# KiCad board Soft_Power_Switch_panelized.kicad_pcb (continued)
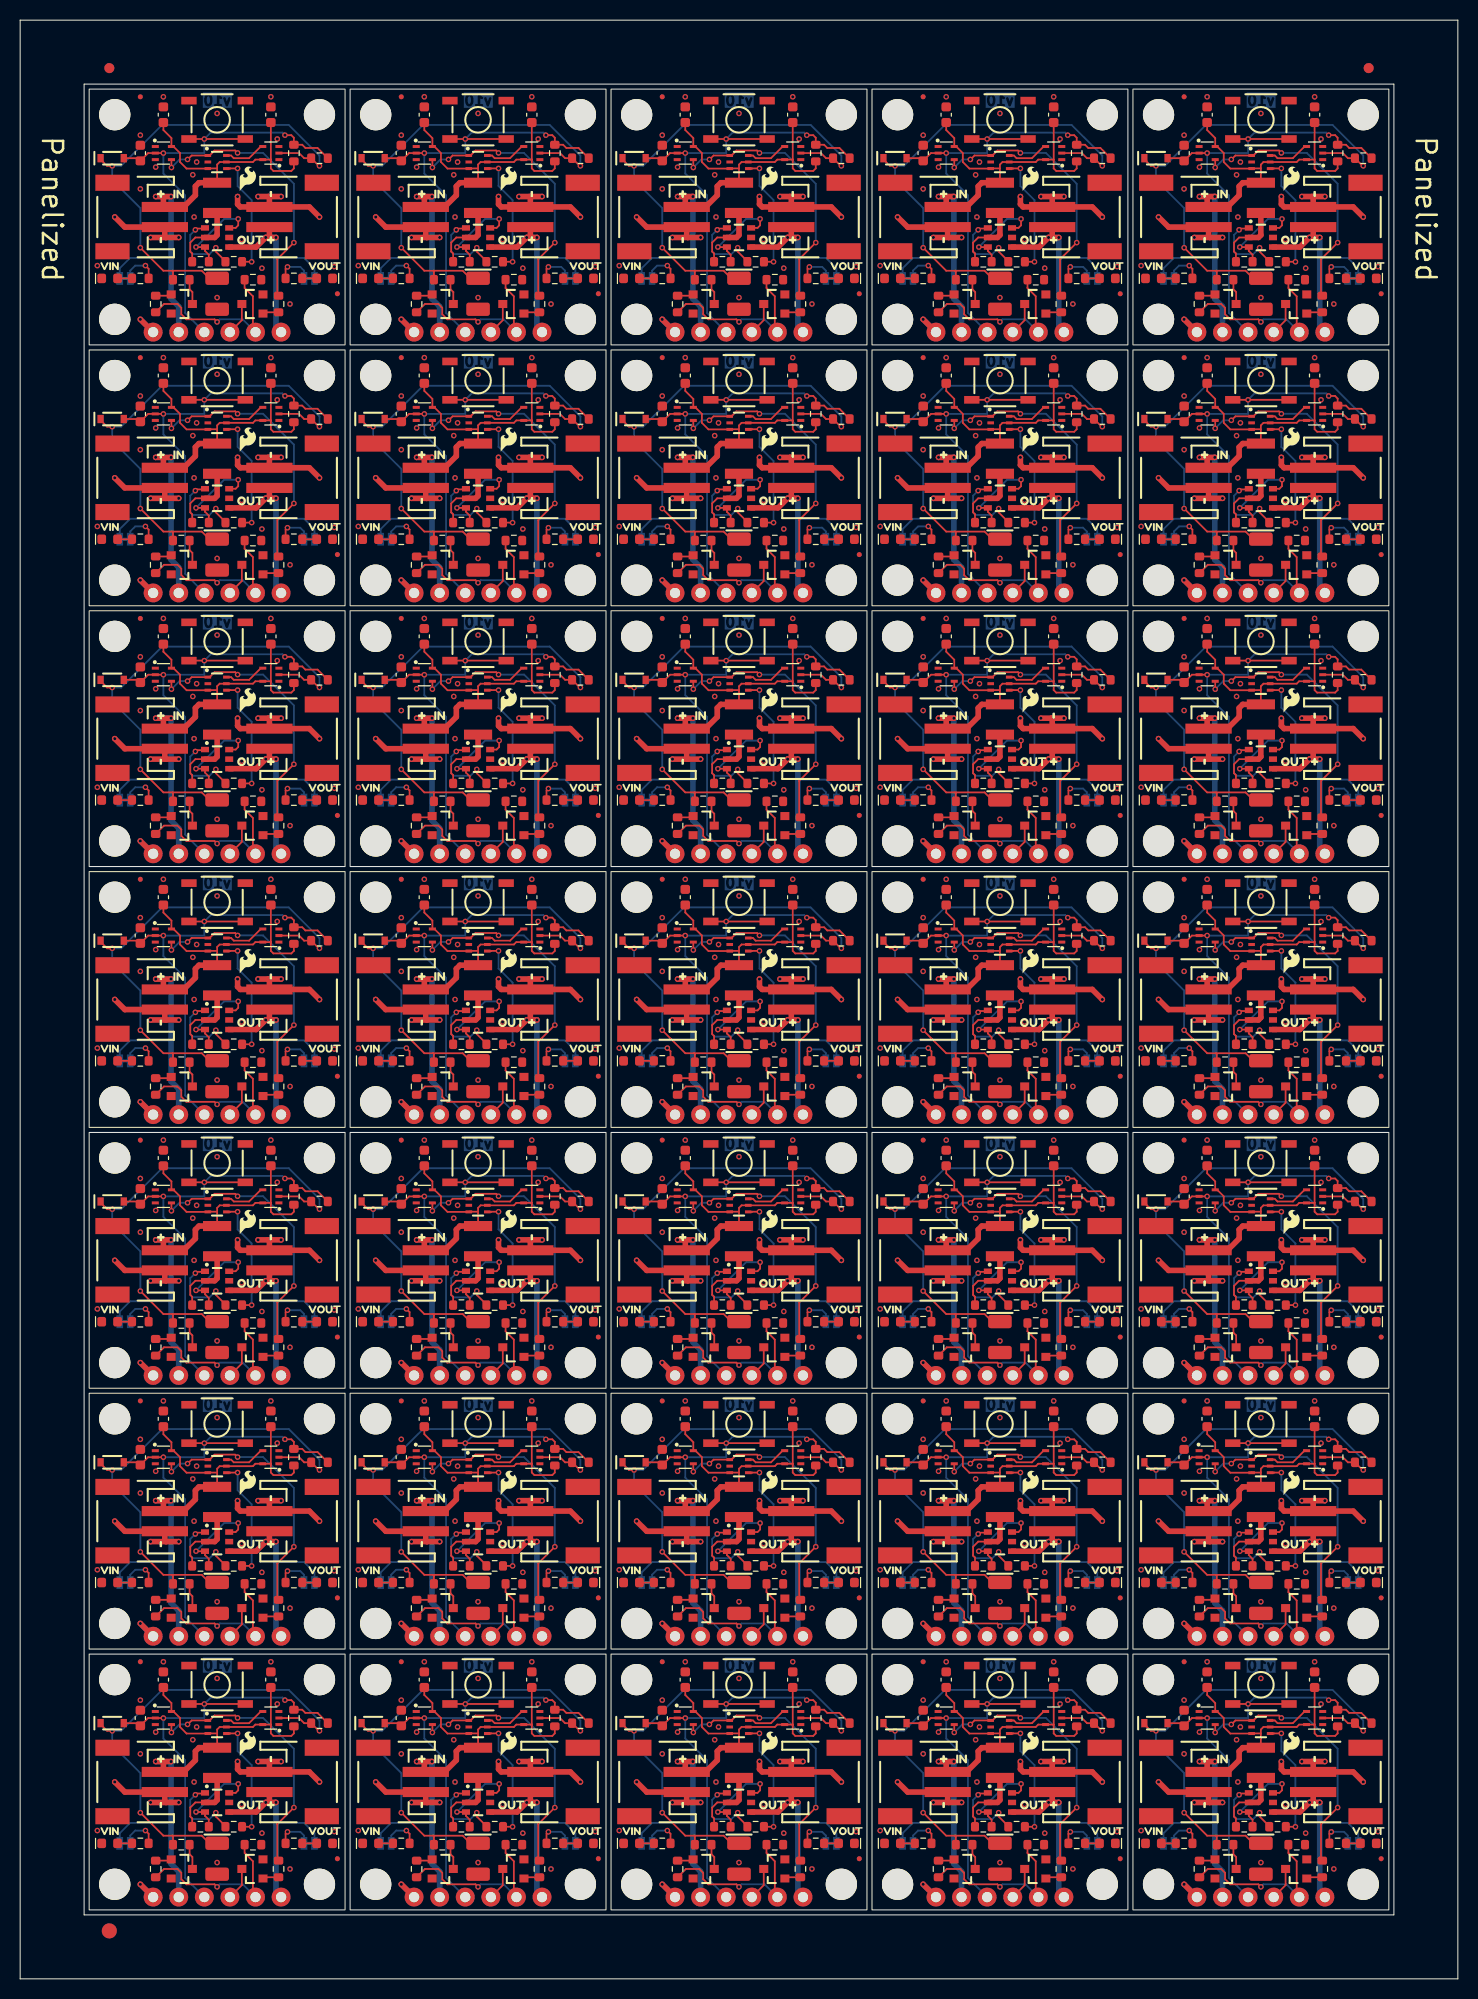
[diagram p0: board, top side]
## Placement (name value [footprint] x y rotation side) (continued)
FID2#10  Fiducial_0.5mm  [Fiducial_0.5mm_Mask1mm]  31.49 63.73 180 bottom
FID2#11  Fiducial_0.5mm  [Fiducial_0.5mm_Mask1mm]  31.49 141.43 180 bottom
FID2#12  Fiducial_0.5mm  [Fiducial_0.5mm_Mask1mm]  135.09 63.73 180 bottom
FID2#13  Fiducial_0.5mm  [Fiducial_0.5mm_Mask1mm]  83.29 11.93 180 bottom
FID2#14  Fiducial_0.5mm  [Fiducial_0.5mm_Mask1mm]  57.39 89.63 180 bottom
FID2#15  Fiducial_0.5mm  [Fiducial_0.5mm_Mask1mm]  83.29 37.83 180 bottom
FID2#16  Fiducial_0.5mm  [Fiducial_0.5mm_Mask1mm]  57.39 141.43 180 bottom
FID2#17  Fiducial_0.5mm  [Fiducial_0.5mm_Mask1mm]  57.39 11.93 180 bottom
FID2#18  Fiducial_0.5mm  [Fiducial_0.5mm_Mask1mm]  135.09 37.83 180 bottom
FID2#19  Fiducial_0.5mm  [Fiducial_0.5mm_Mask1mm]  109.19 37.83 180 bottom
FID2#20  Fiducial_0.5mm  [Fiducial_0.5mm_Mask1mm]  109.19 141.43 180 bottom
FID2#21  Fiducial_0.5mm  [Fiducial_0.5mm_Mask1mm]  57.39 167.33 180 bottom
FID2#22  Fiducial_0.5mm  [Fiducial_0.5mm_Mask1mm]  109.19 89.63 180 bottom
FID2#23  Fiducial_0.5mm  [Fiducial_0.5mm_Mask1mm]  31.49 89.63 180 bottom
FID2#24  Fiducial_0.5mm  [Fiducial_0.5mm_Mask1mm]  83.29 89.63 180 bottom
FID2#25  Fiducial_0.5mm  [Fiducial_0.5mm_Mask1mm]  83.29 115.53 180 bottom
FID2#26  Fiducial_0.5mm  [Fiducial_0.5mm_Mask1mm]  135.09 11.93 180 bottom
FID2#27  Fiducial_0.5mm  [Fiducial_0.5mm_Mask1mm]  83.29 167.33 180 bottom
FID2#28  Fiducial_0.5mm  [Fiducial_0.5mm_Mask1mm]  135.09 167.33 180 bottom
FID2#29  Fiducial_0.5mm  [Fiducial_0.5mm_Mask1mm]  57.39 115.53 180 bottom
FID2#30  Fiducial_0.5mm  [Fiducial_0.5mm_Mask1mm]  135.09 115.53 180 bottom
FID2#31  Fiducial_0.5mm  [Fiducial_0.5mm_Mask1mm]  83.29 141.43 180 bottom
FID2#32  Fiducial_0.5mm  [Fiducial_0.5mm_Mask1mm]  109.19 115.53 180 bottom
FID2#33  Fiducial_0.5mm  [Fiducial_0.5mm_Mask1mm]  135.09 89.63 180 bottom
FID2#34  Fiducial_0.5mm  [Fiducial_0.5mm_Mask1mm]  109.19 63.73 180 bottom
FID2#35  Fiducial_0.5mm  [Fiducial_0.5mm_Mask1mm]  109.19 11.93 180 bottom
FID3  Fiducial_0.5mm  [Fiducial_0.5mm_Mask1mm]  37.83 135.09 180 bottom
FID3#2  Fiducial_0.5mm  [Fiducial_0.5mm_Mask1mm]  115.53 57.39 180 bottom
FID3#3  Fiducial_0.5mm  [Fiducial_0.5mm_Mask1mm]  11.93 31.49 180 bottom
FID3#4  Fiducial_0.5mm  [Fiducial_0.5mm_Mask1mm]  11.93 109.19 180 bottom
FID3#5  Fiducial_0.5mm  [Fiducial_0.5mm_Mask1mm]  63.73 83.29 180 bottom
FID3#6  Fiducial_0.5mm  [Fiducial_0.5mm_Mask1mm]  115.53 135.09 180 bottom
FID3#7  Fiducial_0.5mm  [Fiducial_0.5mm_Mask1mm]  89.63 160.99 180 bottom
FID3#8  Fiducial_0.5mm  [Fiducial_0.5mm_Mask1mm]  115.53 31.49 180 bottom
FID3#9  Fiducial_0.5mm  [Fiducial_0.5mm_Mask1mm]  115.53 83.29 180 bottom
FID3#10  Fiducial_0.5mm  [Fiducial_0.5mm_Mask1mm]  63.73 135.09 180 bottom
FID3#11  Fiducial_0.5mm  [Fiducial_0.5mm_Mask1mm]  11.93 186.89 180 bottom
FID3#12  Fiducial_0.5mm  [Fiducial_0.5mm_Mask1mm]  37.83 160.99 180 bottom
FID3#13  Fiducial_0.5mm  [Fiducial_0.5mm_Mask1mm]  63.73 109.19 180 bottom
FID3#14  Fiducial_0.5mm  [Fiducial_0.5mm_Mask1mm]  11.93 57.39 180 bottom
FID3#15  Fiducial_0.5mm  [Fiducial_0.5mm_Mask1mm]  63.73 57.39 180 bottom
FID3#16  Fiducial_0.5mm  [Fiducial_0.5mm_Mask1mm]  37.83 57.39 180 bottom
FID3#17  Fiducial_0.5mm  [Fiducial_0.5mm_Mask1mm]  63.73 160.99 180 bottom
FID3#18  Fiducial_0.5mm  [Fiducial_0.5mm_Mask1mm]  11.93 83.29 180 bottom
FID3#19  Fiducial_0.5mm  [Fiducial_0.5mm_Mask1mm]  63.73 31.49 180 bottom
FID3#20  Fiducial_0.5mm  [Fiducial_0.5mm_Mask1mm]  37.83 31.49 180 bottom
FID3#21  Fiducial_0.5mm  [Fiducial_0.5mm_Mask1mm]  37.83 186.89 180 bottom
FID3#22  Fiducial_0.5mm  [Fiducial_0.5mm_Mask1mm]  37.83 109.19 180 bottom
FID3#23  Fiducial_0.5mm  [Fiducial_0.5mm_Mask1mm]  89.63 109.19 180 bottom
FID3#24  Fiducial_0.5mm  [Fiducial_0.5mm_Mask1mm]  37.83 83.29 180 bottom
FID3#25  Fiducial_0.5mm  [Fiducial_0.5mm_Mask1mm]  63.73 186.89 180 bottom
FID3#26  Fiducial_0.5mm  [Fiducial_0.5mm_Mask1mm]  89.63 186.89 180 bottom
FID3#27  Fiducial_0.5mm  [Fiducial_0.5mm_Mask1mm]  115.53 109.19 180 bottom
FID3#28  Fiducial_0.5mm  [Fiducial_0.5mm_Mask1mm]  89.63 83.29 180 bottom
FID3#29  Fiducial_0.5mm  [Fiducial_0.5mm_Mask1mm]  115.53 186.89 180 bottom
FID3#30  Fiducial_0.5mm  [Fiducial_0.5mm_Mask1mm]  115.53 160.99 180 bottom
FID3#31  Fiducial_0.5mm  [Fiducial_0.5mm_Mask1mm]  89.63 135.09 180 bottom
FID3#32  Fiducial_0.5mm  [Fiducial_0.5mm_Mask1mm]  11.93 160.99 180 bottom
FID3#33  Fiducial_0.5mm  [Fiducial_0.5mm_Mask1mm]  11.93 135.09 180 bottom
FID3#34  Fiducial_0.5mm  [Fiducial_0.5mm_Mask1mm]  89.63 57.39 180 bottom
FID3#35  Fiducial_0.5mm  [Fiducial_0.5mm_Mask1mm]  89.63 31.49 180 bottom
FID4  Fiducial_0.5mm  [Fiducial_0.5mm_Mask1mm]  83.29 167.33 0 top
FID4#2  Fiducial_0.5mm  [Fiducial_0.5mm_Mask1mm]  31.49 37.83 0 top
FID4#3  Fiducial_0.5mm  [Fiducial_0.5mm_Mask1mm]  31.49 167.33 0 top
FID4#4  Fiducial_0.5mm  [Fiducial_0.5mm_Mask1mm]  109.19 63.73 0 top
FID4#5  Fiducial_0.5mm  [Fiducial_0.5mm_Mask1mm]  109.19 115.53 0 top
FID4#6  Fiducial_0.5mm  [Fiducial_0.5mm_Mask1mm]  57.39 167.33 0 top
FID4#7  Fiducial_0.5mm  [Fiducial_0.5mm_Mask1mm]  31.49 141.43 0 top
FID4#8  Fiducial_0.5mm  [Fiducial_0.5mm_Mask1mm]  135.09 11.93 0 top
FID4#9  Fiducial_0.5mm  [Fiducial_0.5mm_Mask1mm]  31.49 115.53 0 top
FID4#10  Fiducial_0.5mm  [Fiducial_0.5mm_Mask1mm]  83.29 89.63 0 top
FID4#11  Fiducial_0.5mm  [Fiducial_0.5mm_Mask1mm]  57.39 63.73 0 top
FID4#12  Fiducial_0.5mm  [Fiducial_0.5mm_Mask1mm]  135.09 89.63 0 top
FID4#13  Fiducial_0.5mm  [Fiducial_0.5mm_Mask1mm]  31.49 11.93 0 top
FID4#14  Fiducial_0.5mm  [Fiducial_0.5mm_Mask1mm]  109.19 167.33 0 top
FID4#15  Fiducial_0.5mm  [Fiducial_0.5mm_Mask1mm]  57.39 141.43 0 top
FID4#16  Fiducial_0.5mm  [Fiducial_0.5mm_Mask1mm]  109.19 141.43 0 top
FID4#17  Fiducial_0.5mm  [Fiducial_0.5mm_Mask1mm]  83.29 63.73 0 top
FID4#18  Fiducial_0.5mm  [Fiducial_0.5mm_Mask1mm]  135.09 37.83 0 top
FID4#19  Fiducial_0.5mm  [Fiducial_0.5mm_Mask1mm]  57.39 89.63 0 top
FID4#20  Fiducial_0.5mm  [Fiducial_0.5mm_Mask1mm]  83.29 11.93 0 top
FID4#21  Fiducial_0.5mm  [Fiducial_0.5mm_Mask1mm]  31.49 89.63 0 top
FID4#22  Fiducial_0.5mm  [Fiducial_0.5mm_Mask1mm]  57.39 115.53 0 top
FID4#23  Fiducial_0.5mm  [Fiducial_0.5mm_Mask1mm]  31.49 63.73 0 top
FID4#24  Fiducial_0.5mm  [Fiducial_0.5mm_Mask1mm]  83.29 115.53 0 top
FID4#25  Fiducial_0.5mm  [Fiducial_0.5mm_Mask1mm]  135.09 167.33 0 top
FID4#26  Fiducial_0.5mm  [Fiducial_0.5mm_Mask1mm]  135.09 63.73 0 top
FID4#27  Fiducial_0.5mm  [Fiducial_0.5mm_Mask1mm]  83.29 37.83 0 top
FID4#28  Fiducial_0.5mm  [Fiducial_0.5mm_Mask1mm]  83.29 141.43 0 top
FID4#29  Fiducial_0.5mm  [Fiducial_0.5mm_Mask1mm]  109.19 37.83 0 top
FID4#30  Fiducial_0.5mm  [Fiducial_0.5mm_Mask1mm]  57.39 37.83 0 top
FID4#31  Fiducial_0.5mm  [Fiducial_0.5mm_Mask1mm]  135.09 115.53 0 top
FID4#32  Fiducial_0.5mm  [Fiducial_0.5mm_Mask1mm]  57.39 11.93 0 top
FID4#33  Fiducial_0.5mm  [Fiducial_0.5mm_Mask1mm]  109.19 89.63 0 top
FID4#34  Fiducial_0.5mm  [Fiducial_0.5mm_Mask1mm]  109.19 11.93 0 top
FID4#35  Fiducial_0.5mm  [Fiducial_0.5mm_Mask1mm]  135.09 141.43 0 top
G3  OSHW_Logo  [Creative_Commons_License]  103.37 -36.84 0 top
G***  Flame  [SparkFun_Flame_2.5mm]  74.4 49.25 0 top
G***#2  Flame  [SparkFun_Flame_2.5mm]  126.2 126.95 0 top
G***#3  Flame  [SparkFun_Flame_2.5mm]  126.2 101.05 0 top
G***#4  Flame  [SparkFun_Flame_2.5mm]  22.6 126.95 0 top
G***#5  Flame  [SparkFun_Flame_2.5mm]  22.6 101.05 0 top
G***#6  Flame  [SparkFun_Flame_2.5mm]  74.4 23.35 0 top
G***#7  Flame  [SparkFun_Flame_2.5mm]  74.4 178.75 0 top
G***#8  Flame  [SparkFun_Flame_2.5mm]  48.5 126.95 0 top
G***#9  Flame  [SparkFun_Flame_2.5mm]  100.3 178.75 0 top
G***#10  Flame  [SparkFun_Flame_2.5mm]  126.2 75.15 0 top
G***#11  Flame  [SparkFun_Flame_2.5mm]  22.6 152.85 0 top
G***#12  Flame  [SparkFun_Flame_2.5mm]  126.2 152.85 0 top
G***#13  Flame  [SparkFun_Flame_2.5mm]  48.5 101.05 0 top
G***#14  Flame  [SparkFun_Flame_2.5mm]  100.3 152.85 0 top
G***#15  Flame  [SparkFun_Flame_2.5mm]  48.5 23.35 0 top
G***#16  Flame  [SparkFun_Flame_2.5mm]  74.4 75.15 0 top
G***#17  Flame  [SparkFun_Flame_2.5mm]  126.2 23.35 0 top
G***#18  Flame  [SparkFun_Flame_2.5mm]  100.3 75.15 0 top
G***#19  Flame  [SparkFun_Flame_2.5mm]  100.3 126.95 0 top
G***#20  Flame  [SparkFun_Flame_2.5mm]  100.3 101.05 0 top
G***#21  Flame  [SparkFun_Flame_2.5mm]  126.2 178.75 0 top
G***#22  Flame  [SparkFun_Flame_2.5mm]  22.6 178.75 0 top
G***#23  Flame  [SparkFun_Flame_2.5mm]  74.4 152.85 0 top
G***#24  Flame  [SparkFun_Flame_2.5mm]  126.2 49.25 0 top
G***#25  Flame  [SparkFun_Flame_2.5mm]  22.6 75.15 0 top
G***#26  Flame  [SparkFun_Flame_2.5mm]  48.5 75.15 0 top
G***#27  Flame  [SparkFun_Flame_2.5mm]  100.3 23.35 0 top
G***#28  Flame  [SparkFun_Flame_2.5mm]  48.5 178.75 0 top
G***#29  Flame  [SparkFun_Flame_2.5mm]  74.4 101.05 0 top
G***#30  Flame  [SparkFun_Flame_2.5mm]  22.6 49.25 0 top
G***#31  Flame  [SparkFun_Flame_2.5mm]  22.6 23.35 0 top
G***#32  Flame  [SparkFun_Flame_2.5mm]  48.5 152.85 0 top
G***#33  Flame  [SparkFun_Flame_2.5mm]  48.5 49.25 0 top
G***#34  Flame  [SparkFun_Flame_2.5mm]  74.4 126.95 0 top
G***#35  Flame  [SparkFun_Flame_2.5mm]  100.3 49.25 0 top
G***#36  LOGO  [SparkFun_Logo_12.5mm]  19.55 26.53 180 bottom
G***#37  LOGO  [SparkFun_Logo_12.5mm]  97.25 181.94 180 bottom
G***#38  LOGO  [SparkFun_Logo_12.5mm]  71.35 78.34 180 bottom
G***#39  LOGO  [SparkFun_Logo_12.5mm]  97.25 156.03 180 bottom
G***#40  LOGO  [SparkFun_Logo_12.5mm]  19.55 181.94 180 bottom
G***#41  LOGO  [SparkFun_Logo_12.5mm]  123.15 52.44 180 bottom
G***#42  LOGO  [SparkFun_Logo_12.5mm]  19.55 52.44 180 bottom
G***#43  LOGO  [SparkFun_Logo_12.5mm]  45.45 104.23 180 bottom
G***#44  LOGO  [SparkFun_Logo_12.5mm]  19.55 78.34 180 bottom
G***#45  LOGO  [SparkFun_Logo_12.5mm]  71.35 104.23 180 bottom
G***#46  LOGO  [SparkFun_Logo_12.5mm]  97.25 104.23 180 bottom
G***#47  LOGO  [SparkFun_Logo_12.5mm]  71.35 26.53 180 bottom
G***#48  LOGO  [SparkFun_Logo_12.5mm]  97.25 130.13 180 bottom
G***#49  LOGO  [SparkFun_Logo_12.5mm]  71.35 130.13 180 bottom
G***#50  LOGO  [SparkFun_Logo_12.5mm]  45.45 156.03 180 bottom
G***#51  LOGO  [SparkFun_Logo_12.5mm]  97.25 26.53 180 bottom
G***#52  LOGO  [SparkFun_Logo_12.5mm]  97.25 78.34 180 bottom
G***#53  LOGO  [SparkFun_Logo_12.5mm]  45.45 130.13 180 bottom
G***#54  LOGO  [SparkFun_Logo_12.5mm]  45.45 52.44 180 bottom
G***#55  LOGO  [SparkFun_Logo_12.5mm]  71.35 156.03 180 bottom
G***#56  LOGO  [SparkFun_Logo_12.5mm]  97.25 52.44 180 bottom
G***#57  LOGO  [SparkFun_Logo_12.5mm]  123.15 104.23 180 bottom
G***#58  LOGO  [SparkFun_Logo_12.5mm]  123.15 130.13 180 bottom
G***#59  LOGO  [SparkFun_Logo_12.5mm]  45.45 26.53 180 bottom
G***#60  LOGO  [SparkFun_Logo_12.5mm]  123.15 26.53 180 bottom
G***#61  LOGO  [SparkFun_Logo_12.5mm]  123.15 156.03 180 bottom
G***#62  LOGO  [SparkFun_Logo_12.5mm]  123.15 78.34 180 bottom
G***#63  LOGO  [SparkFun_Logo_12.5mm]  45.45 78.34 180 bottom
G***#64  LOGO  [SparkFun_Logo_12.5mm]  123.15 181.94 180 bottom
G***#65  LOGO  [SparkFun_Logo_12.5mm]  19.55 130.13 180 bottom
G***#66  LOGO  [SparkFun_Logo_12.5mm]  19.55 104.23 180 bottom
G***#67  LOGO  [SparkFun_Logo_12.5mm]  71.35 52.44 180 bottom
G***#68  LOGO  [SparkFun_Logo_12.5mm]  19.55 156.03 180 bottom
G***#69  LOGO  [SparkFun_Logo_12.5mm]  45.45 181.94 180 bottom
G***#70  LOGO  [SparkFun_Logo_12.5mm]  71.35 181.94 180 bottom
J1  JST_2mm_LiPo  [JST_SMD_2.0mm-2]  62.46 71.35 90 top
J1#2  JST_2mm_LiPo  [JST_SMD_2.0mm-2]  10.66 174.95 90 top
J1#3  JST_2mm_LiPo  [JST_SMD_2.0mm-2]  88.36 123.15 90 top
J1#4  JST_2mm_LiPo  [JST_SMD_2.0mm-2]  36.56 149.05 90 top
J1#5  JST_2mm_LiPo  [JST_SMD_2.0mm-2]  10.66 97.25 90 top
J1#6  JST_2mm_LiPo  [JST_SMD_2.0mm-2]  62.46 149.05 90 top
J1#7  JST_2mm_LiPo  [JST_SMD_2.0mm-2]  10.66 71.35 90 top
J1#8  JST_2mm_LiPo  [JST_SMD_2.0mm-2]  36.56 97.25 90 top
J1#9  JST_2mm_LiPo  [JST_SMD_2.0mm-2]  114.26 149.05 90 top
J1#10  JST_2mm_LiPo  [JST_SMD_2.0mm-2]  88.36 71.35 90 top
J1#11  JST_2mm_LiPo  [JST_SMD_2.0mm-2]  36.56 45.45 90 top
J1#12  JST_2mm_LiPo  [JST_SMD_2.0mm-2]  36.56 71.35 90 top
J1#13  JST_2mm_LiPo  [JST_SMD_2.0mm-2]  62.46 123.15 90 top
J1#14  JST_2mm_LiPo  [JST_SMD_2.0mm-2]  10.66 45.45 90 top
J1#15  JST_2mm_LiPo  [JST_SMD_2.0mm-2]  114.26 97.25 90 top
J1#16  JST_2mm_LiPo  [JST_SMD_2.0mm-2]  10.66 149.05 90 top
J1#17  JST_2mm_LiPo  [JST_SMD_2.0mm-2]  62.46 174.95 90 top
J1#18  JST_2mm_LiPo  [JST_SMD_2.0mm-2]  62.46 45.45 90 top
J1#19  JST_2mm_LiPo  [JST_SMD_2.0mm-2]  36.56 123.15 90 top
J1#20  JST_2mm_LiPo  [JST_SMD_2.0mm-2]  114.26 174.95 90 top
J1#21  JST_2mm_LiPo  [JST_SMD_2.0mm-2]  10.66 19.55 90 top
J1#22  JST_2mm_LiPo  [JST_SMD_2.0mm-2]  36.56 19.55 90 top
J1#23  JST_2mm_LiPo  [JST_SMD_2.0mm-2]  62.46 97.25 90 top
J1#24  JST_2mm_LiPo  [JST_SMD_2.0mm-2]  62.46 19.55 90 top
J1#25  JST_2mm_LiPo  [JST_SMD_2.0mm-2]  114.26 45.45 90 top
J1#26  JST_2mm_LiPo  [JST_SMD_2.0mm-2]  114.26 71.35 90 top
J1#27  JST_2mm_LiPo  [JST_SMD_2.0mm-2]  88.36 19.55 90 top
J1#28  JST_2mm_LiPo  [JST_SMD_2.0mm-2]  88.36 149.05 90 top
J1#29  JST_2mm_LiPo  [JST_SMD_2.0mm-2]  36.56 174.95 90 top
J1#30  JST_2mm_LiPo  [JST_SMD_2.0mm-2]  10.66 123.15 90 top
J1#31  JST_2mm_LiPo  [JST_SMD_2.0mm-2]  88.36 45.45 90 top
J1#32  JST_2mm_LiPo  [JST_SMD_2.0mm-2]  88.36 174.95 90 top
J1#33  JST_2mm_LiPo  [JST_SMD_2.0mm-2]  114.26 123.15 90 top
J1#34  JST_2mm_LiPo  [JST_SMD_2.0mm-2]  114.26 19.55 90 top
J1#35  JST_2mm_LiPo  [JST_SMD_2.0mm-2]  88.36 97.25 90 top
J2  JST_2mm_LiPo  [JST_SMD_2.0mm-2]  54.34 71.35 270 top
J2#2  JST_2mm_LiPo  [JST_SMD_2.0mm-2]  80.24 97.25 270 top
J2#3  JST_2mm_LiPo  [JST_SMD_2.0mm-2]  80.24 149.05 270 top
J2#4  JST_2mm_LiPo  [JST_SMD_2.0mm-2]  132.04 123.15 270 top
J2#5  JST_2mm_LiPo  [JST_SMD_2.0mm-2]  28.44 45.45 270 top
J2#6  JST_2mm_LiPo  [JST_SMD_2.0mm-2]  132.04 71.35 270 top
J2#7  JST_2mm_LiPo  [JST_SMD_2.0mm-2]  132.04 19.55 270 top
J2#8  JST_2mm_LiPo  [JST_SMD_2.0mm-2]  132.04 45.45 270 top
J2#9  JST_2mm_LiPo  [JST_SMD_2.0mm-2]  28.44 97.25 270 top
J2#10  JST_2mm_LiPo  [JST_SMD_2.0mm-2]  132.04 97.25 270 top
J2#11  JST_2mm_LiPo  [JST_SMD_2.0mm-2]  80.24 123.15 270 top
J2#12  JST_2mm_LiPo  [JST_SMD_2.0mm-2]  80.24 71.35 270 top
J2#13  JST_2mm_LiPo  [JST_SMD_2.0mm-2]  54.34 149.05 270 top
J2#14  JST_2mm_LiPo  [JST_SMD_2.0mm-2]  106.14 174.95 270 top
J2#15  JST_2mm_LiPo  [JST_SMD_2.0mm-2]  28.44 174.95 270 top
J2#16  JST_2mm_LiPo  [JST_SMD_2.0mm-2]  54.34 97.25 270 top
J2#17  JST_2mm_LiPo  [JST_SMD_2.0mm-2]  132.04 149.05 270 top
J2#18  JST_2mm_LiPo  [JST_SMD_2.0mm-2]  106.14 149.05 270 top
J2#19  JST_2mm_LiPo  [JST_SMD_2.0mm-2]  54.34 19.55 270 top
J2#20  JST_2mm_LiPo  [JST_SMD_2.0mm-2]  80.24 19.55 270 top
J2#21  JST_2mm_LiPo  [JST_SMD_2.0mm-2]  28.44 123.15 270 top
J2#22  JST_2mm_LiPo  [JST_SMD_2.0mm-2]  28.44 149.05 270 top
J2#23  JST_2mm_LiPo  [JST_SMD_2.0mm-2]  106.14 45.45 270 top
J2#24  JST_2mm_LiPo  [JST_SMD_2.0mm-2]  132.04 174.95 270 top
J2#25  JST_2mm_LiPo  [JST_SMD_2.0mm-2]  80.24 174.95 270 top
J2#26  JST_2mm_LiPo  [JST_SMD_2.0mm-2]  28.44 19.55 270 top
J2#27  JST_2mm_LiPo  [JST_SMD_2.0mm-2]  106.14 123.15 270 top
J2#28  JST_2mm_LiPo  [JST_SMD_2.0mm-2]  106.14 71.35 270 top
J2#29  JST_2mm_LiPo  [JST_SMD_2.0mm-2]  106.14 97.25 270 top
J2#30  JST_2mm_LiPo  [JST_SMD_2.0mm-2]  80.24 45.45 270 top
J2#31  JST_2mm_LiPo  [JST_SMD_2.0mm-2]  54.34 123.15 270 top
J2#32  JST_2mm_LiPo  [JST_SMD_2.0mm-2]  28.44 71.35 270 top
J2#33  JST_2mm_LiPo  [JST_SMD_2.0mm-2]  54.34 174.95 270 top
J2#34  JST_2mm_LiPo  [JST_SMD_2.0mm-2]  106.14 19.55 270 top
J2#35  JST_2mm_LiPo  [JST_SMD_2.0mm-2]  54.34 45.45 270 top
J3  Conn_01x06  [1x06]  77.7 163.52 180 top
J3#2  Conn_01x06  [1x06]  25.9 8.12 180 top
J3#3  Conn_01x06  [1x06]  51.8 34.02 180 top
J3#4  Conn_01x06  [1x06]  103.6 111.72 180 top
J3#5  Conn_01x06  [1x06]  129.5 137.62 180 top
J3#6  Conn_01x06  [1x06]  129.5 85.82 180 top
J3#7  Conn_01x06  [1x06]  129.5 111.72 180 top
J3#8  Conn_01x06  [1x06]  129.5 8.12 180 top
J3#9  Conn_01x06  [1x06]  77.7 34.02 180 top
J3#10  Conn_01x06  [1x06]  77.7 111.72 180 top
J3#11  Conn_01x06  [1x06]  51.8 163.52 180 top
J3#12  Conn_01x06  [1x06]  77.7 8.12 180 top
J3#13  Conn_01x06  [1x06]  103.6 34.02 180 top
J3#14  Conn_01x06  [1x06]  77.7 85.82 180 top
J3#15  Conn_01x06  [1x06]  25.9 137.62 180 top
J3#16  Conn_01x06  [1x06]  103.6 137.62 180 top
J3#17  Conn_01x06  [1x06]  51.8 8.12 180 top
J3#18  Conn_01x06  [1x06]  103.6 8.12 180 top
J3#19  Conn_01x06  [1x06]  103.6 85.82 180 top
J3#20  Conn_01x06  [1x06]  77.7 137.62 180 top
J3#21  Conn_01x06  [1x06]  51.8 85.82 180 top
J3#22  Conn_01x06  [1x06]  77.7 59.92 180 top
J3#23  Conn_01x06  [1x06]  51.8 137.62 180 top
J3#24  Conn_01x06  [1x06]  51.8 111.72 180 top
J3#25  Conn_01x06  [1x06]  129.5 59.92 180 top
J3#26  Conn_01x06  [1x06]  25.9 85.82 180 top
J3#27  Conn_01x06  [1x06]  129.5 34.02 180 top
J3#28  Conn_01x06  [1x06]  25.9 163.52 180 top
J3#29  Conn_01x06  [1x06]  25.9 59.92 180 top
J3#30  Conn_01x06  [1x06]  51.8 59.92 180 top
J3#31  Conn_01x06  [1x06]  25.9 34.02 180 top
J3#32  Conn_01x06  [1x06]  129.5 163.52 180 top
J3#33  Conn_01x06  [1x06]  25.9 111.72 180 top
J3#34  Conn_01x06  [1x06]  103.6 59.92 180 top
J3#35  Conn_01x06  [1x06]  103.6 163.52 180 top
JP1  ~  [Jumper_2_NC_Trace]  36.31 39.35 180 bottom
JP1#2  ~  [Jumper_2_NC_Trace]  88.11 13.45 180 bottom
JP1#3  ~  [Jumper_2_NC_Trace]  10.41 168.85 180 bottom
JP1#4  ~  [Jumper_2_NC_Trace]  62.21 65.25 180 bottom
JP1#5  ~  [Jumper_2_NC_Trace]  88.11 168.85 180 bottom
JP1#6  ~  [Jumper_2_NC_Trace]  114.01 39.35 180 bottom
JP1#7  ~  [Jumper_2_NC_Trace]  62.21 142.95 180 bottom
JP1#8  ~  [Jumper_2_NC_Trace]  62.21 39.35 180 bottom
JP1#9  ~  [Jumper_2_NC_Trace]  62.21 168.85 180 bottom
JP1#10  ~  [Jumper_2_NC_Trace]  114.01 65.25 180 bottom
JP1#11  ~  [Jumper_2_NC_Trace]  36.31 142.95 180 bottom
JP1#12  ~  [Jumper_2_NC_Trace]  88.11 39.35 180 bottom
JP1#13  ~  [Jumper_2_NC_Trace]  88.11 91.15 180 bottom
JP1#14  ~  [Jumper_2_NC_Trace]  114.01 13.45 180 bottom
JP1#15  ~  [Jumper_2_NC_Trace]  10.41 142.95 180 bottom
JP1#16  ~  [Jumper_2_NC_Trace]  10.41 91.15 180 bottom
JP1#17  ~  [Jumper_2_NC_Trace]  10.41 117.05 180 bottom
JP1#18  ~  [Jumper_2_NC_Trace]  10.41 13.45 180 bottom
JP1#19  ~  [Jumper_2_NC_Trace]  114.01 117.05 180 bottom
JP1#20  ~  [Jumper_2_NC_Trace]  10.41 65.25 180 bottom
JP1#21  ~  [Jumper_2_NC_Trace]  36.31 168.85 180 bottom
JP1#22  ~  [Jumper_2_NC_Trace]  36.31 13.45 180 bottom
JP1#23  ~  [Jumper_2_NC_Trace]  36.31 117.05 180 bottom
JP1#24  ~  [Jumper_2_NC_Trace]  88.11 142.95 180 bottom
JP1#25  ~  [Jumper_2_NC_Trace]  62.21 13.45 180 bottom
JP1#26  ~  [Jumper_2_NC_Trace]  36.31 91.15 180 bottom
JP1#27  ~  [Jumper_2_NC_Trace]  88.11 117.05 180 bottom
JP1#28  ~  [Jumper_2_NC_Trace]  88.11 65.25 180 bottom
JP1#29  ~  [Jumper_2_NC_Trace]  114.01 142.95 180 bottom
JP1#30  ~  [Jumper_2_NC_Trace]  62.21 117.05 180 bottom
JP1#31  ~  [Jumper_2_NC_Trace]  10.41 39.35 180 bottom
JP1#32  ~  [Jumper_2_NC_Trace]  114.01 168.85 180 bottom
JP1#33  ~  [Jumper_2_NC_Trace]  114.01 91.15 180 bottom
JP1#34  ~  [Jumper_2_NC_Trace]  36.31 65.25 180 bottom
JP1#35  ~  [Jumper_2_NC_Trace]  62.21 91.15 180 bottom
JP2  ~  [Jumper_2_NC_Trace]  54.59 39.35 0 bottom
JP2#2  ~  [Jumper_2_NC_Trace]  28.69 65.25 0 bottom
JP2#3  ~  [Jumper_2_NC_Trace]  28.69 142.95 0 bottom
JP2#4  ~  [Jumper_2_NC_Trace]  106.39 65.25 0 bottom
JP2#5  ~  [Jumper_2_NC_Trace]  80.49 65.25 0 bottom
JP2#6  ~  [Jumper_2_NC_Trace]  132.29 168.85 0 bottom
JP2#7  ~  [Jumper_2_NC_Trace]  54.59 65.25 0 bottom
JP2#8  ~  [Jumper_2_NC_Trace]  54.59 142.95 0 bottom
JP2#9  ~  [Jumper_2_NC_Trace]  80.49 117.05 0 bottom
JP2#10  ~  [Jumper_2_NC_Trace]  132.29 65.25 0 bottom
JP2#11  ~  [Jumper_2_NC_Trace]  106.39 142.95 0 bottom
JP2#12  ~  [Jumper_2_NC_Trace]  106.39 91.15 0 bottom
JP2#13  ~  [Jumper_2_NC_Trace]  132.29 13.45 0 bottom
JP2#14  ~  [Jumper_2_NC_Trace]  28.69 13.45 0 bottom
JP2#15  ~  [Jumper_2_NC_Trace]  28.69 117.05 0 bottom
JP2#16  ~  [Jumper_2_NC_Trace]  28.69 39.35 0 bottom
JP2#17  ~  [Jumper_2_NC_Trace]  54.59 117.05 0 bottom
JP2#18  ~  [Jumper_2_NC_Trace]  80.49 13.45 0 bottom
JP2#19  ~  [Jumper_2_NC_Trace]  28.69 168.85 0 bottom
JP2#20  ~  [Jumper_2_NC_Trace]  54.59 13.45 0 bottom
JP2#21  ~  [Jumper_2_NC_Trace]  106.39 117.05 0 bottom
JP2#22  ~  [Jumper_2_NC_Trace]  80.49 91.15 0 bottom
JP2#23  ~  [Jumper_2_NC_Trace]  132.29 142.95 0 bottom
JP2#24  ~  [Jumper_2_NC_Trace]  132.29 91.15 0 bottom
JP2#25  ~  [Jumper_2_NC_Trace]  54.59 168.85 0 bottom
JP2#26  ~  [Jumper_2_NC_Trace]  54.59 91.15 0 bottom
JP2#27  ~  [Jumper_2_NC_Trace]  80.49 142.95 0 bottom
JP2#28  ~  [Jumper_2_NC_Trace]  132.29 39.35 0 bottom
JP2#29  ~  [Jumper_2_NC_Trace]  106.39 39.35 0 bottom
JP2#30  ~  [Jumper_2_NC_Trace]  28.69 91.15 0 bottom
JP2#31  ~  [Jumper_2_NC_Trace]  106.39 168.85 0 bottom
JP2#32  ~  [Jumper_2_NC_Trace]  80.49 39.35 0 bottom
JP2#33  ~  [Jumper_2_NC_Trace]  132.29 117.05 0 bottom
JP2#34  ~  [Jumper_2_NC_Trace]  106.39 13.45 0 bottom
JP2#35  ~  [Jumper_2_NC_Trace]  80.49 168.85 0 bottom
kibuzzard-65F04F60  G***  [kibuzzard-65F04F60]  39.86 151.34 0 top
kibuzzard-65F04F60#2  G***  [kibuzzard-65F04F60]  24.88 17.26 0 top
kibuzzard-65F04F60#3  G***  [kibuzzard-65F04F60]  102.58 146.76 0 top
kibuzzard-65F04F60#4  G***  [kibuzzard-65F04F60]  91.66 73.64 0 top
kibuzzard-65F04F60#5  G***  [kibuzzard-65F04F60]  65.76 99.54 0 top
kibuzzard-65F04F60#6  G***  [kibuzzard-65F04F60]  76.68 43.16 0 top
kibuzzard-65F04F60#7  G***  [kibuzzard-65F04F60]  117.56 177.24 0 top
kibuzzard-65F04F60#8  G***  [kibuzzard-65F04F60]  24.88 172.66 0 top
kibuzzard-65F04F60#9  G***  [kibuzzard-65F04F60]  65.76 151.34 0 top
kibuzzard-65F04F60#10  G***  [kibuzzard-65F04F60]  76.68 120.86 0 top
kibuzzard-65F04F60#11  G***  [kibuzzard-65F04F60]  128.48 94.96 0 top
kibuzzard-65F04F60#12  G***  [kibuzzard-65F04F60]  102.58 69.06 0 top
kibuzzard-65F04F60#13  G***  [kibuzzard-65F04F60]  13.96 99.54 0 top
kibuzzard-65F04F60#14  G***  [kibuzzard-65F04F60]  76.68 172.66 0 top
kibuzzard-65F04F60#15  G***  [kibuzzard-65F04F60]  128.48 43.16 0 top
kibuzzard-65F04F60#16  G***  [kibuzzard-65F04F60]  39.86 125.44 0 top
kibuzzard-65F04F60#17  G***  [kibuzzard-65F04F60]  13.96 125.44 0 top
kibuzzard-65F04F60#18  G***  [kibuzzard-65F04F60]  128.48 120.86 0 top
kibuzzard-65F04F60#19  G***  [kibuzzard-65F04F60]  117.56 47.74 0 top
kibuzzard-65F04F60#20  G***  [kibuzzard-65F04F60]  76.68 94.96 0 top
kibuzzard-65F04F60#21  G***  [kibuzzard-65F04F60]  102.58 43.16 0 top
kibuzzard-65F04F60#22  G***  [kibuzzard-65F04F60]  128.48 146.76 0 top
kibuzzard-65F04F60#23  G***  [kibuzzard-65F04F60]  65.76 73.64 0 top
kibuzzard-65F04F60#24  G***  [kibuzzard-65F04F60]  13.96 47.74 0 top
kibuzzard-65F04F60#25  G***  [kibuzzard-65F04F60]  102.58 172.66 0 top
kibuzzard-65F04F60#26  G***  [kibuzzard-65F04F60]  39.86 73.64 0 top
kibuzzard-65F04F60#27  G***  [kibuzzard-65F04F60]  13.96 177.24 0 top
kibuzzard-65F04F60#28  G***  [kibuzzard-65F04F60]  102.58 120.86 0 top
kibuzzard-65F04F60#29  G***  [kibuzzard-65F04F60]  91.66 47.74 0 top
kibuzzard-65F04F60#30  G***  [kibuzzard-65F04F60]  65.76 47.74 0 top
kibuzzard-65F04F60#31  G***  [kibuzzard-65F04F60]  50.78 120.86 0 top
kibuzzard-65F04F60#32  G***  [kibuzzard-65F04F60]  39.86 47.74 0 top
kibuzzard-65F04F60#33  G***  [kibuzzard-65F04F60]  24.88 69.06 0 top
kibuzzard-65F04F60#34  G***  [kibuzzard-65F04F60]  65.76 177.24 0 top
kibuzzard-65F04F60#35  G***  [kibuzzard-65F04F60]  76.68 69.06 0 top
kibuzzard-65F04F60#36  G***  [kibuzzard-65F04F60]  76.68 146.76 0 top
kibuzzard-65F04F60#37  G***  [kibuzzard-65F04F60]  39.86 99.54 0 top
kibuzzard-65F04F60#38  G***  [kibuzzard-65F04F60]  117.56 151.34 0 top
kibuzzard-65F04F60#39  G***  [kibuzzard-65F04F60]  50.78 43.16 0 top
kibuzzard-65F04F60#40  G***  [kibuzzard-65F04F60]  39.86 177.24 0 top
kibuzzard-65F04F60#41  G***  [kibuzzard-65F04F60]  128.48 172.66 0 top
kibuzzard-65F04F60#42  G***  [kibuzzard-65F04F60]  102.58 94.96 0 top
kibuzzard-65F04F60#43  G***  [kibuzzard-65F04F60]  91.66 125.44 0 top
kibuzzard-65F04F60#44  G***  [kibuzzard-65F04F60]  24.88 120.86 0 top
kibuzzard-65F04F60#45  G***  [kibuzzard-65F04F60]  91.66 177.24 0 top
kibuzzard-65F04F60#46  G***  [kibuzzard-65F04F60]  128.48 69.06 0 top
kibuzzard-65F04F60#47  G***  [kibuzzard-65F04F60]  50.78 172.66 0 top
kibuzzard-65F04F60#48  G***  [kibuzzard-65F04F60]  50.78 94.96 0 top
kibuzzard-65F04F60#49  G***  [kibuzzard-65F04F60]  13.96 21.84 0 top
kibuzzard-65F04F60#50  G***  [kibuzzard-65F04F60]  13.96 151.34 0 top
kibuzzard-65F04F60#51  G***  [kibuzzard-65F04F60]  91.66 21.84 0 top
kibuzzard-65F04F60#52  G***  [kibuzzard-65F04F60]  117.56 73.64 0 top
kibuzzard-65F04F60#53  G***  [kibuzzard-65F04F60]  65.76 125.44 0 top
kibuzzard-65F04F60#54  G***  [kibuzzard-65F04F60]  65.76 21.84 0 top
kibuzzard-65F04F60#55  G***  [kibuzzard-65F04F60]  24.88 94.96 0 top
kibuzzard-65F04F60#56  G***  [kibuzzard-65F04F60]  117.56 99.54 0 top
kibuzzard-65F04F60#57  G***  [kibuzzard-65F04F60]  24.88 146.76 0 top
kibuzzard-65F04F60#58  G***  [kibuzzard-65F04F60]  117.56 21.84 0 top
kibuzzard-65F04F60#59  G***  [kibuzzard-65F04F60]  102.58 17.26 0 top
kibuzzard-65F04F60#60  G***  [kibuzzard-65F04F60]  50.78 69.06 0 top
kibuzzard-65F04F60#61  G***  [kibuzzard-65F04F60]  24.88 43.16 0 top
kibuzzard-65F04F60#62  G***  [kibuzzard-65F04F60]  13.96 73.64 0 top
kibuzzard-65F04F60#63  G***  [kibuzzard-65F04F60]  39.86 21.84 0 top
kibuzzard-65F04F60#64  G***  [kibuzzard-65F04F60]  117.56 125.44 0 top
kibuzzard-65F04F60#65  G***  [kibuzzard-65F04F60]  76.68 17.26 0 top
kibuzzard-65F04F60#66  G***  [kibuzzard-65F04F60]  50.78 146.76 0 top
kibuzzard-65F04F60#67  G***  [kibuzzard-65F04F60]  50.78 17.26 0 top
kibuzzard-65F04F60#68  G***  [kibuzzard-65F04F60]  91.66 151.34 0 top
kibuzzard-65F04F60#69  G***  [kibuzzard-65F04F60]  91.66 99.54 0 top
kibuzzard-65F04F60#70  G***  [kibuzzard-65F04F60]  128.48 17.26 0 top
kibuzzard-65F04FCA  G***  [kibuzzard-65F04FCA]  65.76 69.06 90 top
kibuzzard-65F04FCA#2  G***  [kibuzzard-65F04FCA]  13.96 17.26 90 top
kibuzzard-65F04FCA#3  G***  [kibuzzard-65F04FCA]  117.56 94.96 90 top
kibuzzard-65F04FCA#4  G***  [kibuzzard-65F04FCA]  128.48 47.74 90 top
kibuzzard-65F04FCA#5  G***  [kibuzzard-65F04FCA]  117.56 120.86 90 top
kibuzzard-65F04FCA#6  G***  [kibuzzard-65F04FCA]  39.86 43.16 90 top
kibuzzard-65F04FCA#7  G***  [kibuzzard-65F04FCA]  24.88 151.34 90 top
kibuzzard-65F04FCA#8  G***  [kibuzzard-65F04FCA]  65.76 43.16 90 top
kibuzzard-65F04FCA#9  G***  [kibuzzard-65F04FCA]  76.68 47.74 90 top
kibuzzard-65F04FCA#10  G***  [kibuzzard-65F04FCA]  128.48 99.54 90 top
kibuzzard-65F04FCA#11  G***  [kibuzzard-65F04FCA]  76.68 21.84 90 top
kibuzzard-65F04FCA#12  G***  [kibuzzard-65F04FCA]  65.76 17.26 90 top
kibuzzard-65F04FCA#13  G***  [kibuzzard-65F04FCA]  13.96 94.96 90 top
kibuzzard-65F04FCA#14  G***  [kibuzzard-65F04FCA]  50.78 125.44 90 top
kibuzzard-65F04FCA#15  G***  [kibuzzard-65F04FCA]  102.58 47.74 90 top
kibuzzard-65F04FCA#16  G***  [kibuzzard-65F04FCA]  24.88 177.24 90 top
kibuzzard-65F04FCA#17  G***  [kibuzzard-65F04FCA]  65.76 94.96 90 top
kibuzzard-65F04FCA#18  G***  [kibuzzard-65F04FCA]  24.88 47.74 90 top
kibuzzard-65F04FCA#19  G***  [kibuzzard-65F04FCA]  65.76 146.76 90 top
kibuzzard-65F04FCA#20  G***  [kibuzzard-65F04FCA]  102.58 151.34 90 top
kibuzzard-65F04FCA#21  G***  [kibuzzard-65F04FCA]  24.88 125.44 90 top
kibuzzard-65F04FCA#22  G***  [kibuzzard-65F04FCA]  76.68 73.64 90 top
kibuzzard-65F04FCA#23  G***  [kibuzzard-65F04FCA]  24.88 99.54 90 top
kibuzzard-65F04FCA#24  G***  [kibuzzard-65F04FCA]  76.68 125.44 90 top
kibuzzard-65F04FCA#25  G***  [kibuzzard-65F04FCA]  76.68 99.54 90 top
kibuzzard-65F04FCA#26  G***  [kibuzzard-65F04FCA]  13.96 146.76 90 top
kibuzzard-65F04FCA#27  G***  [kibuzzard-65F04FCA]  117.56 172.66 90 top
kibuzzard-65F04FCA#28  G***  [kibuzzard-65F04FCA]  13.96 43.16 90 top
kibuzzard-65F04FCA#29  G***  [kibuzzard-65F04FCA]  13.96 120.86 90 top
kibuzzard-65F04FCA#30  G***  [kibuzzard-65F04FCA]  117.56 43.16 90 top
kibuzzard-65F04FCA#31  G***  [kibuzzard-65F04FCA]  102.58 177.24 90 top
kibuzzard-65F04FCA#32  G***  [kibuzzard-65F04FCA]  128.48 125.44 90 top
kibuzzard-65F04FCA#33  G***  [kibuzzard-65F04FCA]  91.66 17.26 90 top
kibuzzard-65F04FCA#34  G***  [kibuzzard-65F04FCA]  39.86 120.86 90 top
kibuzzard-65F04FCA#35  G***  [kibuzzard-65F04FCA]  102.58 73.64 90 top
kibuzzard-65F04FCA#36  G***  [kibuzzard-65F04FCA]  91.66 43.16 90 top
kibuzzard-65F04FCA#37  G***  [kibuzzard-65F04FCA]  91.66 69.06 90 top
kibuzzard-65F04FCA#38  G***  [kibuzzard-65F04FCA]  102.58 99.54 90 top
kibuzzard-65F04FCA#39  G***  [kibuzzard-65F04FCA]  91.66 94.96 90 top
kibuzzard-65F04FCA#40  G***  [kibuzzard-65F04FCA]  91.66 146.76 90 top
kibuzzard-65F04FCA#41  G***  [kibuzzard-65F04FCA]  50.78 21.84 90 top
kibuzzard-65F04FCA#42  G***  [kibuzzard-65F04FCA]  39.86 17.26 90 top
kibuzzard-65F04FCA#43  G***  [kibuzzard-65F04FCA]  128.48 73.64 90 top
kibuzzard-65F04FCA#44  G***  [kibuzzard-65F04FCA]  24.88 73.64 90 top
kibuzzard-65F04FCA#45  G***  [kibuzzard-65F04FCA]  117.56 69.06 90 top
kibuzzard-65F04FCA#46  G***  [kibuzzard-65F04FCA]  128.48 151.34 90 top
kibuzzard-65F04FCA#47  G***  [kibuzzard-65F04FCA]  50.78 47.74 90 top
kibuzzard-65F04FCA#48  G***  [kibuzzard-65F04FCA]  128.48 177.24 90 top
kibuzzard-65F04FCA#49  G***  [kibuzzard-65F04FCA]  91.66 172.66 90 top
kibuzzard-65F04FCA#50  G***  [kibuzzard-65F04FCA]  50.78 99.54 90 top
kibuzzard-65F04FCA#51  G***  [kibuzzard-65F04FCA]  50.78 151.34 90 top
kibuzzard-65F04FCA#52  G***  [kibuzzard-65F04FCA]  39.86 69.06 90 top
kibuzzard-65F04FCA#53  G***  [kibuzzard-65F04FCA]  102.58 125.44 90 top
kibuzzard-65F04FCA#54  G***  [kibuzzard-65F04FCA]  39.86 146.76 90 top
kibuzzard-65F04FCA#55  G***  [kibuzzard-65F04FCA]  24.88 21.84 90 top
kibuzzard-65F04FCA#56  G***  [kibuzzard-65F04FCA]  76.68 151.34 90 top
kibuzzard-65F04FCA#57  G***  [kibuzzard-65F04FCA]  128.48 21.84 90 top
kibuzzard-65F04FCA#58  G***  [kibuzzard-65F04FCA]  50.78 177.24 90 top
kibuzzard-65F04FCA#59  G***  [kibuzzard-65F04FCA]  50.78 73.64 90 top
kibuzzard-65F04FCA#60  G***  [kibuzzard-65F04FCA]  117.56 146.76 90 top
kibuzzard-65F04FCA#61  G***  [kibuzzard-65F04FCA]  65.76 172.66 90 top
kibuzzard-65F04FCA#62  G***  [kibuzzard-65F04FCA]  91.66 120.86 90 top
kibuzzard-65F04FCA#63  G***  [kibuzzard-65F04FCA]  13.96 69.06 90 top
kibuzzard-65F04FCA#64  G***  [kibuzzard-65F04FCA]  13.96 172.66 90 top
kibuzzard-65F04FCA#65  G***  [kibuzzard-65F04FCA]  102.58 21.84 90 top
kibuzzard-65F04FCA#66  G***  [kibuzzard-65F04FCA]  65.76 120.86 90 top
kibuzzard-65F04FCA#67  G***  [kibuzzard-65F04FCA]  117.56 17.26 90 top
